# Altium PCB pcb.PcbDoc (part 2 of 2)
Units mil, origin at the board's own origin, x right, y up, seen from the top; angles counter-clockwise.
Board outline 1181.1 x 1968.5 mil, 4 copper layers (Top, Layer 2, Layer 3, Bottom), stack 33.234 mil thick; 97 components, 78 nets, 400 pads, 191 vias.
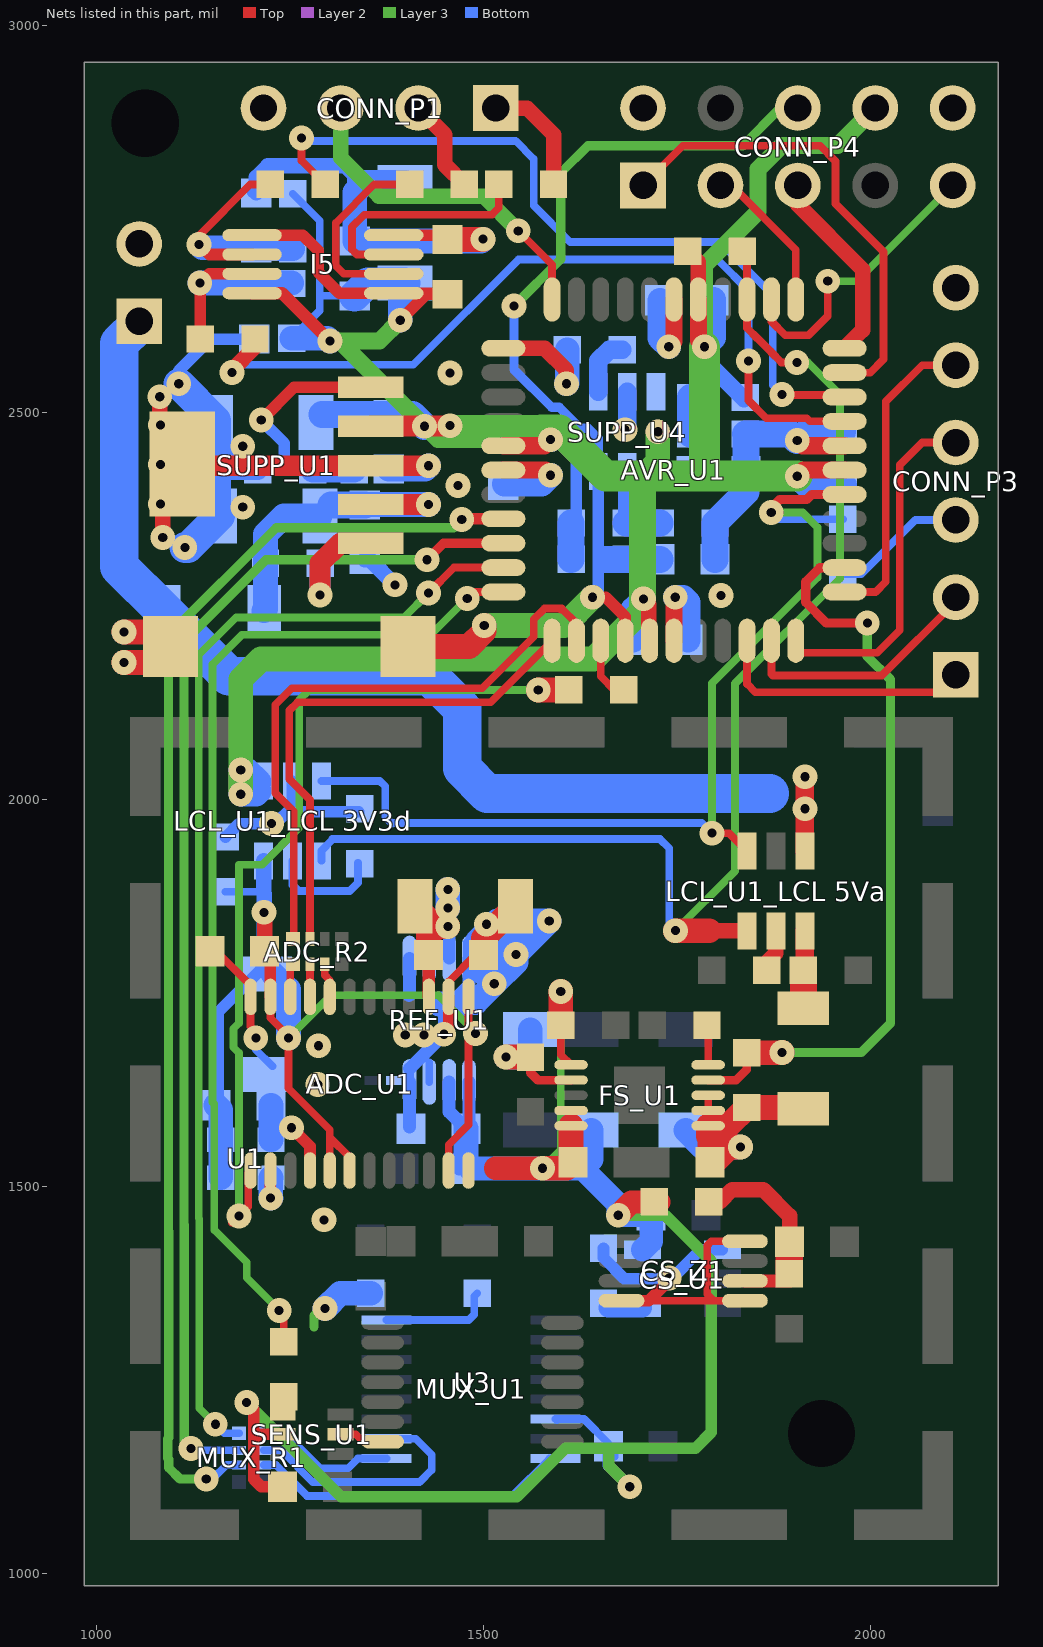
[diagram p4: the nets of this part, all layers, seen from the top]

## Via types
v1: diameter 32, hole 11.81, Top to Bottom, 191 vias

## Nets (pads, with @x,y where several pads share a name; then routed paths per layer and width w, separated by ;. In a path a pad name is that pad's centre, name@x,y a point inside that pad or via, vN(x,y) a via of type N, cw(c..) or ccw(c..) an arc to the next point about the centre after c; other vN are vias at no path point) (continued)
DGND: "LCL_R2_LCL 3V3d.1" "LCL_R4_LCL 3V3d.1" "LCL_U1_LCL 3V3d.2" ADC_C2.2 ADC_C5.2 ADC_C6.2 ADC_J1.2 ADC_U1.4 ADC_U1.24 AVR_C1.2 AVR_C2.2 AVR_C3.2 AVR_C4.2 AVR_C5.2 AVR_C6.2 AVR_R4.2 AVR_R5.2 AVR_U1.6 AVR_U1.18 AVR_U1.28 AVR_U1.39 CONN_P1.4 CONN_P2.2 CONN_P3.3 CONN_P3.6 CONN_P4.2 CONN_P4.10 FS_R3.1 I5.4 I8.2 I9.2 I10.1 I11.1 I12.1 S1.2 SUPP_C1.2 SUPP_C2.2 SUPP_C3.2 SUPP_C4.2 SUPP_R3.2 SUPP_U1.3 SUPP_U1.6 SUPP_U4.2 U1.2 | length 3385.9
  Top w10: ADC_C6.2@1145.55,1803.06 ADC_C6.2@1146.45,1803.95 1154.95,1803.95 1199.13,1759.77 ADC_U1.24@1199.13,1745.16 1199.13,1706.7 1205.88,1699.95 v1(1205.88,1691.95)
  Top w15: v1(1252,1576) 1275.91,1552.09 ADC_U1.4@1275.91,1520.75 ; I5.4@1384.09,2729.43 I11.1@1448.06,2729.43
  Top w20: S1.2@1076.77,2216.54 S1.2@1095.47,2197.83 ; v1(1081.69,2520.67) 1081.69,2462.24 SUPP_U1.6@1110.47,2433.46 1080.56,2403.54 1085.63,2398.47 v1(1085.63,2338.58)
  Top w22: AVR_U1.39@1525.7,2425.8 1580.19,2425.8 v1(1586.82,2419.17) ; v1(1739.54,2585.15) 1746.17,2591.78 AVR_U1.28@1746.17,2646.27 ; AVR_U1.6@1746.17,2205.32 1746.17,2259.81 v1(1747.8,2261.44) ; v1(1905.53,2463.92) 1912.16,2457.29 AVR_U1.18@1966.65,2457.29
  Top w27: SUPP_U1.6@1112.44,2431.49 SUPP_U1.3@1354.57,2431.49 v1(1428.87,2431.49)
  Top w32: v1(1035.43,2177.17) 1074.8,2177.17 S1.2@1095.47,2197.83 ; v1(1035.43,2216.54) S1.2@1076.77,2216.54 ; I11.1@1453.56,2723.93 1499.05,2723.93 v1(1499.36,2724.24)
  Layer 2 w10: v1(1205.88,1691.95) 1205.88,1697.95 v1@1207.88,1699.95
  Bottom w10: v1(1205.88,1691.95) 1205.88,1676.99 ADC_C5.2@1227.38,1655.49 ; FS_R3.1@1964.57,2291.34 1988.19,2291.34 2058.27,2361.42 CONN_P3.3@2110.24,2361.42
  Bottom w15: v1(1106.3,2537.4) 1106.3,2554.13 1147.22,2595.06 I9.2@1203.56,2595.06 ; 1166.67,1951.76 1183.91,1969 v1(1226,1969) 1231.16,1969 1253.28,1991.13 1253.28,1995.06 ; 1253.28,2024 1253.28,1995.06 ; 1338.91,1984.24 1264.11,1984.24 1253.28,1995.06
  Bottom w20: 1153.87,2427.17 1183.4,2456.69 v1(1188.98,2456.69) 1188.98,2430.39 1185.04,2426.46 ; I8.2@1203,2787.48 I8.2@1206.56,2783.93 1206.56,2804 1221.46,2818.9 1321.85,2818.9 1333.56,2807.19 1333.56,2784.49 ; SUPP_C1.2@1346.83,2310.02 1353.36,2310.02 v1(1385.83,2277.56)
  Bottom w24: v1(1683,2478) 1684.24,2478 1685.8,2476.44 SUPP_U4.2@1685.8,2527.02
  Bottom w27: 1153.87,2427.17 1154.58,2426.46 1185.04,2426.46 SUPP_R3.2@1208.4,2426.46
  Bottom w32: ADC_C2.2@1225.43,1605 1225.48,1604.95 U1.2@1225.48,1560.61 ; SUPP_C4.2@1377.83,2427.02 1424.4,2427.02 v1(1428.87,2431.49) ; I12.1@1398.56,2797.45 1346.52,2797.45 1333.56,2784.49 I10.1@1333.56,2721.93 1497.05,2721.93 v1(1499.36,2724.24) ; AVR_C4.2@1526.82,2407.73 1575.39,2407.73 v1(1586.82,2419.17) ; AVR_C5.2@1728.11,2645.15 1728.11,2596.58 v1(1739.54,2585.15) ; v1(1747.8,2261.44) 1757.8,2261.44 1764.24,2255.01 AVR_C3.2@1764.24,2206.44 ; 1916.96,2475.35 AVR_C2.2@1965.53,2475.35
  Bottom w35: AVR_C1.2@1799.24,2310.44 AVR_R4.2@1799.24,2357.44 1839.24,2397.44 AVR_C6.2@1839.24,2424.44 1839.24,2471.79 AVR_R5.2@1838.58,2472.44 1897.01,2472.44 v1(1905.53,2463.92)
  Bottom w40: v1(1106.3,2537.4) 1153.87,2489.83 SUPP_C3.2@1153.87,2487.46 1153.87,2427.17 1153.87,2371.46 SUPP_C2.2@1158.87,2366.46 1118.2,2325.79 v1(1114.17,2325.79)
  other v1: 1294,1457 1286,1632 1287,1682 1807.09,2263.78 1188.98,2377.95 1082.68,2381.89 1467,2406 1082.68,2433.07 1082.68,2484.25 1456.69,2551.18
DIN: ADC_R2.1 ADC_U1.22 | length 45
  Top w10: ADC_U1.22@1250.32,1745.16 1250.32,1780.89 ADC_R2.1@1256.88,1787.45
DOUT: ADC_R2.2 ADC_U1.21 | length 39.3
  Top w10: ADC_U1.21@1275.88,1747.13 ADC_R2.2@1275.88,1786.45
DRDY: ADC_R2.3 ADC_U1.20 | length 45
  Top w10: ADC_R2.3@1294.88,1787.45 1294.88,1773.35 1301.5,1766.74 ADC_U1.20@1301.5,1745.16
I2C_BUS.SCL: CONN_P1.2 I4.1 | length 123.4
  Top w20: CONN_P1.2@1415.75,2893.7 1450,2859.45 1450,2820.43 I4.1@1475.43,2795
I2C_BUS.SDA: CONN_P1.1 I7.1 | length 153.2
  Top w20: CONN_P1.1@1515.75,2893.7 1556.3,2893.7 1590.55,2859.45 I7.1@1590.55,2795.28
IN.NEGATIVE: FLT_R2.1 MUX_U1.8 | length 145.6
  Bottom w10: MUX_U1.8@1374.71,1327.61 1481.16,1327.61 1488.19,1334.65 1488.19,1358.27 FLT_R2.1@1492.13,1362.2
IN.POSITIVE: FLT_R1.1 MOS_J1.1 | length 106.3
  Layer 3 w12: MOS_J1.1@1281,1319 1281,1333.08 1290.44,1342.52 v1(1295.27,1342.52)
  Bottom w10: v1(1295.27,1342.52) v1@1295.27,1349.35
  Bottom w32: v1(1295.27,1342.52) 1314.96,1362.2 FLT_R1.1@1354.33,1362.2
INT: AVR_U1.33 CONN_P1.3 | length 439.6
  Top w10: v1(1545,2735) 1588.69,2691.31 AVR_U1.33@1588.69,2646.27
  Layer 3 w20: CONN_P1.3@1315.75,2893.7 1315.75,2829.25 1365,2780 1500,2780 v1(1545,2735)
MISO: ADC_R2.7 AVR_U1.1 | length 683.4
  Top w10: ADC_R2.7@1275.88,1819.95 1275.88,1999.71 1249,2026.59 1249,2115.14 1259.84,2125.98 1509.35,2125.98 AVR_U1.1@1588.69,2205.32
MOSI: ADC_R2.8 AVR_U1.2 | length 798.3
  Top w10: ADC_R2.8@1253.88,1819.95 1255,1821.07 1255,1984.59 1231,2008.59 1231,2122.6 1252.39,2143.98 1498.32,2143.98 1564.87,2210.54 1564.87,2232.91 1578.82,2246.87 1598.56,2246.87 1599.88,2245.55 1601.2,2246.87 1620.19,2227.87 AVR_U1.2@1620.19,2205.32
MSCK: ADC_R1.1 AVR_U1.3 | length 82.7
  Top w10: AVR_U1.3@1651.69,2205.32 1651.69,2159.34 1669.29,2141.73 ADC_R1.1@1681.1,2141.73
NetADC_C1_1: ADC_C1.1 ADC_U1.15 REF_C1.1 REF_U1.6 REF_U1.7 | length 348.3
  Top w16: ADC_U1.15@1429.45,1745.16 ADC_C1.1@1429.45,1801.5
  Top w32: REF_C1.1@1411.42,1862.2 REF_C1.1@1429.13,1844.49 ; ADC_C1.1@1429.13,1799.21 REF_C1.1@1429.13,1844.49 ; v1(1454,1836) 1441.62,1836 1439.62,1834 REF_C1.1@1429.13,1844.49
  Bottom w16: REF_U1.6@1430.09,1794.68 1430.09,1835.6 v1@1454,1859.51 ; v1(1454,1836) v1@1454,1859.51 ; REF_U1.7@1455.68,1794.68 1455.68,1861.19 v1@1454,1859.51
  Bottom w32: v1@1454,1859.51 v1(1454,1860) v1(1454,1884)
NetADC_C1_2: ADC_C1.2 ADC_C7.2 ADC_J2.2 ADC_U1.14 REF_C1.2 REF_U1.3 REF_U1.4 REF_U1.5 REF_U1.8 | length 983.6
  Top w10: ADC_U1.14@1455.04,1745.16 1455.04,1764.84 1489.42,1799.21 ADC_C1.2@1500,1799.21
  Top w15: v1(1448.82,1696.85) 1455.04,1703.07 ADC_U1.14@1455.04,1745.16
  Top w32: ADC_C1.2@1500,1799.21 1500,1820.87 REF_C1.2@1541.34,1862.2
  Bottom w10: REF_U1.3@1430.09,1635.23 REF_U1.3@1430.09,1660.16
  Bottom w12: REF_U1.4@1404.5,1635.23 REF_U1.4@1404.5,1652.53
  Bottom w15: v1(1448.82,1696.85) 1448.82,1724.41 ; REF_U1.8@1481.27,1794.68 REF_U1.8@1481.27,1814.91
  Bottom w17: 1404,1747 1404.5,1747.5 REF_U1.5@1404.5,1794.68 ; ADC_C7.2@1404.5,1576.91 REF_U1.4@1404.5,1635.23 ; REF_U1.4@1404.5,1652.53 v1(1448.82,1696.85) ; 1452,1736 1458,1736 1481.27,1759.27 REF_U1.8@1481.27,1794.68
  Bottom w32: 1443,1736 1452,1736 ; 1458,1736 1471.36,1736 1473.31,1737.95 1489.95,1737.95 v1(1514,1762) ; 1492,1784 1492,1817 1518,1843 1554,1843 ; 1492,1784 1495,1784 1554,1843 ; 1492,1784 v1(1514,1762) ; v1(1514,1762) 1542,1790 v1(1542,1800) v1(1585,1843) 1554,1843
  other v1: 1399,1696 1423,1696 1504,1839
NetADC_U1_2: ADC_U1.2 U1.3 | length 70.5
  Top w10: ADC_U1.2@1224.72,1520.75 ADC_U1.2@1225.85,1519.63
  Top w15: ADC_U1.2@1224.72,1520.75 1224.72,1485.28 v1(1225,1485)
  Bottom w20: v1(1225,1485) v1@1231.45,1485
  Bottom w32: v1(1225,1485) 1225,1510.91 U1.3@1225.48,1511.39
NetAVR_R1_2: AVR_R1.2 AVR_R4.1 SUPP_U4.5 | length 119
  Bottom w24: AVR_R1.2@1684.24,2364.01 AVR_R1.2@1684.24,2357.44 AVR_R1.2@1688.8,2362.01 ; AVR_R1.2@1685.8,2362.01 SUPP_U4.5@1685.8,2423.87
  Bottom w35: AVR_R1.2@1684.24,2357.44 AVR_R4.1@1728.37,2357.44
NetAVR_R2_2: AVR_R2.2 AVR_R5.1 SUPP_U4.3 | length 47.2
  Bottom w35: AVR_R5.1@1767.72,2472.44 AVR_R2.2@1767.72,2519.68
NetAVR_R3_1: AVR_R3.1 SUPP_U4.1 | length 76.8
  Bottom w24: SUPP_U4.1@1648.4,2527.02 1648.4,2567.04 1662.8,2581.44 AVR_R3.1@1679.24,2581.44
NetCS_C3_2: CS_C3.2 CS_R1.1 CS_R2.2 CS_Z1.6 | length 257.3
  Top w17: CS_Z1.6@1837.88,1378.09 CS_R1.1@1895.16,1378.09
  Top w20: CS_R2.2@1791.34,1480.32 1805.48,1480.32 1821.3,1496.13 1861.6,1496.13 1895.72,1462.01 CS_C3.2@1895.72,1428.89
  Top w35: CS_R1.1@1895.16,1387.32 1895.16,1428.32 CS_C3.2@1895.72,1428.89
NetCS_R3_1: CS_R3.1 CS_U1.1 CS_Z1.4 CS_Z1.5 CS_Z1.8 | length 518.3
  Top w10: 1713.77,1352.5 1797.54,1352.5 ; CS_Z1.5@1837.88,1352.5 1797.54,1352.5 ; CS_Z1.8@1837.88,1429.28 1794.54,1429.28 1789.16,1423.89 1789.16,1360.89 1797.54,1352.5
  Top w15: CS_Z1.4@1678.43,1352.5 1713.77,1352.5 1740.16,1378.89 v1(1740.16,1381.89)
  Bottom w15: CS_R3.1@1655.16,1420.32 1655.16,1407.89 1682.16,1380.89 1743.16,1380.89 1780.56,1418.29 CS_U1.1@1808.73,1418.29
NetCS_R3_2: CS_R3.2 CS_U1.4 | length 44.5
  Bottom w25: CS_R3.2@1661.13,1343.49 CS_U1.4@1705.58,1343.49
NetFS_C2_1: FS_C2.1 FS_C3.1 FS_FB1.1 FS_R2.1 FS_U1.1 FS_U1.2 FS_U1.3 | length 376.9
  Top w10: FS_U1.2@1790.36,1598.22 FS_U1.3@1790.36,1617.91
  Top w32: 1790.36,1565.45 FS_U1.1@1790.36,1578.54 ; v1(1832.19,1551.18) v1@1817.72,1551.18 ; FS_FB1.1@1913.39,1600.39 1911.62,1602.16 FS_R2.1@1840.06,1602.16 1816.44,1578.54 FS_U1.1@1790.36,1578.54 ; FS_U1.1@1790.36,1578.54 FS_U1.1@1792.82,1576.08 ; FS_U1.1@1792.82,1576.08 v1@1817.72,1551.18 ; FS_U1.1@1792.82,1576.08 FS_C3.1@1792.82,1531.5 1798.03,1531.5 v1@1817.72,1551.18
  Bottom w32: FS_C2.1@1761.32,1572.83 1782.98,1551.18 v1(1832.19,1551.18)
NetFS_C6_1: FS_C6.1 FS_R4.2 FS_U1.7 | length 171.9
  Top w11: 1570.09,1637.59 FS_U1.7@1613.2,1637.59
  Top w12: FS_R4.2@1560.78,1667.34 1560.78,1646.91 1570.09,1637.59
  Top w32: v1(1529.04,1667.34) FS_R4.2@1560.78,1667.34
  Bottom w32: v1(1529.04,1667.34) 1554.65,1667.34 1560.54,1673.23 FS_C6.1@1560.54,1702.76
NetFS_R5_2: FS_R5.2 FS_U1.5 | length 55.9
  Top w10: FS_R5.2@1788.88,1712.6 1790.36,1711.12 FS_U1.5@1790.36,1657.28
NetI1_1: I1.1 I5.6 I6.2 I8.1 | length 320.3
  Top w10: v1(1132.56,2717.49) 1132.56,2729.01 1198.54,2795 I6.2@1224.57,2795
  Top w15: v1(1132.56,2717.49) 1145.62,2704.43 I5.6@1201.02,2704.43
  Bottom w32: v1@1136.99,2713.06 I8.1@1206.56,2713.06 ; I8.1@1207.56,2712.06 I1.1@1253.56,2712.06
NetI2_1: I2.1 I3.2 I5.7 I9.1 | length 269.3
  Top w10: v1@1133.56,2661.49 v1(1133.56,2667.49)
  Top w15: I3.2@1133.93,2595.24 1133.93,2667.12 v1(1133.56,2667.49) 1145.49,2679.43 I5.7@1201.02,2679.43
  Bottom w32: v1(1133.56,2667.49) I2.1@1251.99,2667.49
NetI4_2: I4.2 I5.2 | length 250.5
  Top w10: I5.2@1384.09,2679.43 1319.62,2679.43 1309.13,2689.91 1309.13,2745 1359.13,2795 I4.2@1404.57,2795
NetI5_3: I5.3 I7.2 | length 316.2
  Top w10: I5.3@1384.09,2704.43 1336.62,2704.43 1330.06,2710.99 1330.06,2739.93 1346.03,2755.91 1510.91,2755.91 1519.68,2764.68 I7.2@1519.68,2795.28
"NetLCL_R2_LCL 3V3d_2": "LCL_R2_LCL 3V3d.2" "LCL_U1_LCL 3V3d.5" | length 149.1
  Bottom w10: 1253.28,1920.85 1253.28,1889.75 1261.16,1881.87 1327.1,1881.87 1337.93,1892.7 1337.93,1918.29
"NetLCL_R2_LCL 5Va_2": "LCL_R2_LCL 5Va.2" "LCL_U1_LCL 5Va.5" | length 56.1
  Top w20: 1866.14,1779.53 1866.14,1789.76 1877.95,1801.57 1877.95,1830.71
NetMUX_R1_5: MUX_R1.5 MUX_U1.1 | length 181.9
  Bottom w10: MUX_R1.5@1216.54,1181.11 1244.09,1181.11 1289.09,1136.11 1325.09,1136.11 1337.46,1148.48 MUX_U1.1@1374.71,1148.48
NetMUX_R1_6: MUX_R1.6 MUX_U1.2 | length 326.6
  Bottom w10: MUX_R1.6@1216.54,1159.11 1238.53,1159.11 1279.53,1118.11 1417.32,1118.11 1433.07,1133.86 1433.07,1153.54 1412.54,1174.07 MUX_U1.2@1374.71,1174.07
NetMUX_R1_7: MUX_R1.7 MUX_U1.16 | length 413.3
  Bottom w10: MUX_R1.7@1216.54,1140.11 1232.07,1140.11 1272.07,1100.11 1537.12,1100.11 1585.49,1148.48 MUX_U1.16@1593.22,1148.48
NetSENS_1_2: SENS_1.2 SENS_U1.1
NetSENS_U1_5: SENS_U1.5 U3.7 | length 58.5
  Top w10: SENS_U1.5@1315.4,1180 1335,1180 1344.72,1170.28 U3.7@1369.83,1170.28
NetSUPP_C1_1: SUPP_C1.1 SUPP_C2.1 SUPP_FB2.2 SUPP_R1.1 SUPP_U1.2 | length 380
  Top w27: SUPP_U1.2@1354.57,2381.29 1428.67,2381.29 v1(1428.83,2381.46)
  Bottom w32: SUPP_FB2.2@1216.54,2244.09 1218.4,2245.96 SUPP_R1.1@1218.4,2305.46 1218.4,2343.02 1241.83,2366.46 SUPP_C2.1@1288.8,2366.46 ; SUPP_C1.1@1346.83,2380.89 1347.4,2381.46 v1(1428.83,2381.46)
  Bottom w35: SUPP_C2.1@1303.23,2380.89 SUPP_C1.1@1346.83,2380.89
NetSUPP_R1_2: SUPP_R1.2 SUPP_U1.1 | length 158.5
  Top w27: v1(1288.83,2264.46) 1288.83,2305.46 1314.47,2331.09 SUPP_U1.1@1354.57,2331.09
  Bottom w27: v1(1288.83,2264.46) 1288.83,2305.02 SUPP_R1.2@1289.27,2305.46
NetSUPP_R2_2: SUPP_R2.2 SUPP_R3.1 SUPP_U1.5 | length 322.9
  Top w15: v1(1212.83,2490.46) 1255.24,2532.87 SUPP_U1.5@1354.57,2532.87
  Bottom w15: v1(1212.83,2490.46) 1242.83,2460.46 1242.83,2430.46 1246.83,2426.46 SUPP_R3.1@1279.27,2426.46
  Bottom w32: SUPP_R3.1@1279.7,2426.02 SUPP_R2.2@1332.83,2426.02
"OUT_LCL 5Va": "LCL_R4_LCL 5Va.2" "LCL_U1_LCL 5Va.6" FS_FB1.2 | length 100.8
  Top w24: 1913.39,1779.53 1915.35,1781.5 1915.35,1830.32
  Top w35: FS_FB1.2@1913.39,1730.31 1913.39,1779.53
R\S\T\: AVR_C1.1 AVR_U1.4 CONN_P4.6 R1.2 S1.1 SUPP_U4.6 | length 1396.9
  Top w15: v1(1640.8,2261.44) 1657.85,2261.44 1683.18,2236.11 AVR_U1.4@1683.18,2205.32
  Top w32: S1.1@1402.56,2197.83 1481.3,2197.83 1501,2217.54 v1(1501,2225)
  Layer 3 w12: v1(1539.37,2637.8) 1600,2698.43 1600,2810 1635,2845 1835,2845 1883.7,2893.7 CONN_P4.6@1906.3,2893.7
  Layer 3 w32: v1(1501,2225) 1604.36,2225 v1(1640.8,2261.44)
  Bottom w12: v1(1539.37,2637.8) 1539.37,2555.63 1588.13,2506.87 1598.13,2506.87 1625,2480 1635,2480 1648.4,2466.6 SUPP_U4.6@1648.4,2423.87
  Bottom w15: v1(1640.8,2261.44) 1648.4,2269.04 SUPP_U4.6@1648.4,2423.87
  Bottom w35: 1658.8,2310.44 R1.2@1684.24,2310.44 AVR_C1.1@1728.37,2310.44
RAD_3V3D: "LCL_R4_LCL 3V3d.2" "LCL_U1_LCL 3V3d.6" ADC_C2.1 ADC_C5.1 ADC_C6.1 ADC_U1.5 ADC_U1.6 ADC_U1.11 ADC_U1.13 ADC_U1.23 U1.1 U1.4 | length 1518
  Top w10: ADC_U1.23@1224.72,1745.16 1224.72,1718.11 1247.97,1694.87 1247.97,1627.03 1301.5,1573.5 1301.5,1563.34 ; ADC_U1.5@1301.5,1520.75 1301.5,1563.34 ; ADC_U1.6@1327.09,1520.75 1327.09,1537.75 1301.5,1563.34 ; ADC_U1.11@1455.04,1520.75 1455.04,1554.11 1480.63,1579.7 v1@1480.63,1697.95 ; ADC_U1.13@1480.63,1745.16 v1@1480.63,1697.95 ; v1(1489.88,1697.95) v1@1480.63,1697.95
  Top w15: ADC_U1.23@1224.72,1745.16 ADC_C6.1@1224.72,1796.54
  Top w20: v1(1216.54,1854.33) 1217.32,1853.55 ADC_C6.1@1217.32,1803.95
  Layer 3 w10: v1@1255.52,1699.49 1303.08,1747.05 1441.81,1747.05 1489.88,1698.98 v1(1489.88,1697.95)
  Bottom w10: 1166.67,1880.89 1213.91,1880.89 1215.88,1878.92
  Bottom w15: ADC_C2.1@1157.48,1611.34 1157.48,1725.65 ADC_C5.1@1217.32,1785.48
  Bottom w20: 1215.88,1920.85 1215.88,1878.92 1216.54,1878.27 v1(1216.54,1854.33) 1216.54,1786.26 1217.32,1785.48 ADC_C5.1@1227.88,1774.91
  Bottom w32: ADC_C2.1@1154.57,1605 1160.52,1599.05 U1.1@1160.52,1560.61 U1.4@1160.52,1511.39 ; ADC_C5.1@1227.88,1774.91 1247.97,1754.83 v1(1247.97,1691.94)
RAD_4V5A: ADC_C4.1 ADC_C7.1 ADC_U1.12 CS_C2.1 CS_R2.1 CS_U1.5 FS_C4.1 FS_C5.1 FS_R6.2 FS_U1.6 FS_U1.9 FS_U1.10 MUX_C1.1 MUX_U1.14 REF_U1.1 REF_U1.2 SENS_C1.1 SENS_U1.2 | length 2582.8
  Top w10: FS_R6.2@1599.91,1708.66 1599.91,1670.57 FS_U1.6@1613.2,1657.28
  Top w11: FS_U1.10@1613.2,1578.54 FS_U1.9@1613.2,1598.22
  Top w15: v1(1194,1221) 1203,1212 1203,1170 ; SENS_C1.1@1240.57,1112 1213,1112 1203,1122 1203,1170 ; SENS_U1.2@1240.6,1180 1213,1180 1203,1170
  Top w30: 1515.75,1523.62 v1(1576.28,1523.62) ; v1(1674.16,1462.89) 1691.16,1479.89 CS_R2.1@1726.72,1479.89
  Top w32: v1(1576.28,1523.62) 1607.78,1523.62 FS_C5.1@1615.65,1531.5 1613.2,1533.95 FS_U1.10@1613.2,1578.54 ; FS_R6.2@1599.91,1708.66 v1(1599.9,1751.96)
  Layer 3 w10: v1(1576.28,1523.62) 1599.9,1547.24 v1(1599.9,1751.96)
  Layer 3 w15: v1(1194,1221) 1316,1099 1543,1099 1606,1162 1662,1162 ; v1(1674.16,1462.89) 1735.11,1462.89 1794.5,1403.5 1794.5,1182.5 1774,1162 1662,1162 ; v1(1689,1112) 1662,1139 1662,1162
  Bottom w10: MUX_U1.14@1594.83,1198.05 MUX_U1.14@1593.22,1199.66 1629.9,1199.66 1661.41,1168.15 MUX_C1.1@1661.41,1164.32 ; MUX_C1.1@1669.62,1151.03 MUX_C1.1@1669.62,1163.98
  Bottom w15: MUX_C1.1@1661.41,1164.32 1661.41,1139.59 v1(1689,1112)
  Bottom w17: REF_U1.2@1455.68,1635.23 1455.68,1596.59 ADC_C7.1@1477.32,1574.95 ; ADC_C4.1@1468.32,1522.95 ADC_C4.1@1477.32,1531.95 ; ADC_C7.1@1481.27,1578.91 REF_U1.1@1481.27,1635.23
  Bottom w30: 1627.46,1523.62 1674.16,1476.93 v1(1674.16,1462.89) CS_C2.1@1716.72,1462.89 1716.72,1429.43 CS_U1.5@1705.58,1418.29
  Bottom w32: ADC_C4.1@1477.32,1531.95 ADC_C7.1@1477.32,1574.95 ; ADC_C4.1@1483.75,1522.95 v1(1576.28,1523.62) 1627.46,1523.62 1639.28,1535.43 FS_C4.1@1639.28,1572.83
RADFET_EN: "LCL_U1_LCL 3V3d.3" "LCL_U1_LCL 5Va.3" AVR_U1.16 FS_R3.2 | length 1357.1
  Top w10: v1(1795.28,1956.69) 1817.32,1956.69 1840.55,1933.46
  Top w12: v1(1872,2371) 1881.95,2371 1873.98,2378.98 1882.92,2387.92 1917.95,2387.92 1924.33,2394.3 AVR_U1.16@1966.65,2394.3
  Layer 3 w10: v1(1795.28,1956.69) 1795.28,2150.28 1931.56,2286.56 1931.56,2351.91 1912.46,2371 v1(1872,2371)
  Layer 3 w12: v1(1872,2371) v1@1878.95,2377.95
  Bottom w10: 1290.69,2024 1366.08,2024 1373,2017.08 1373,1977.71 1381.83,1968.87 ; 1381,1969.87 1782.09,1969.87 v1(1795.28,1956.69) ; v1(1872,2371) 1880.8,2362.2 FS_R3.2@1964.57,2362.2
RADFET_FAULT: "LCL_U1_LCL 3V3d.4" "LCL_U1_LCL 5Va.4" AVR_U1.25 FS_R1.1 | length 1714.2
  Top w10: FS_R1.1@1834.65,2708.66 1840.66,2702.65 AVR_U1.25@1840.66,2646.27 1840.66,2609.34 1854.07,2595.93 1854.53,2595.93 1871.52,2578.94 1871.52,2578.48 1885,2565 v1(1905,2565)
  Top w20: 1791.34,1830.71 1840.16,1830.71 1840.55,1830.32
  Top w32: v1(1748.03,1830.71) 1791.34,1830.71
  Layer 3 w10: v1(1748.03,1830.71) 1825,1907.68 1825,2150 1960.63,2285.63 1960.63,2523.62 1919.25,2565 v1(1905,2565)
  Bottom w10: 1290.69,1920.85 1290.69,1934.04 1304.67,1948.02 ; 1304.67,1949.02 1728.14,1949.02 1740.16,1937.01 1740.16,1838.58 v1(1748.03,1830.71)
RADFET_MUX_A0: AVR_U1.43 MUX_R1.4 | length 1478.8
  Top w10: v1(1429,2267) 1461.81,2299.81 AVR_U1.43@1525.7,2299.81
  Layer 3 w10: v1(1153.54,1192.91) 1132.87,1213.58 1132.87,1458.11 1132,1458.99 1132,2187 1180.46,2235.46 1397.46,2235.46 v1(1429,2267)
  Bottom w10: v1(1153.54,1192.91) 1165.34,1181.11 MUX_R1.4@1184.04,1181.11
RADFET_MUX_A1: AVR_U1.41 MUX_R1.2 | length 1676.2
  Top w15: v1(1472,2362) 1472.8,2362.8 AVR_U1.41@1525.7,2362.8
  Layer 3 w12: v1(1141.73,1122.05) 1107.95,1122.05 1093.43,1136.57 1093.43,1147.6 1092.05,1148.99 1092.05,1173.84 1093.43,1175.23 1093.43,1442.4 1093,1442.83 1093,2212.28 1232.17,2351.46 1461.46,2351.46 v1(1472,2362)
  Bottom w10: v1(1141.73,1122.05) 1149.61,1122.05 1167.67,1140.11 MUX_R1.2@1184.04,1140.11
RADFET_MUX_EN: AVR_U1.42 MUX_R1.3 | length 1574.7
  Top w12: v1(1427,2310) 1448.31,2331.31 AVR_U1.42@1525.7,2331.31
  Layer 3 w12: v1(1122.05,1161.41) 1113.43,1170.03 1113.43,1450.68 1113,1451.12 1113,2204 1219,2310 v1(1427,2310)
  Bottom w10: v1(1122.05,1161.41) 1124.35,1159.11 MUX_R1.3@1184.04,1159.11
RADFET_PGOOD: AVR_U1.13 FS_R2.2 FS_U1.4 | length 983.9
  Top w11: FS_U1.4@1790.36,1637.59 1826.77,1637.59 1840.06,1650.88 FS_R2.2@1840.06,1673.02
  Top w12: AVR_U1.13@1966.65,2299.81 1934.65,2299.81 1916.34,2281.5 1916.34,2254.92 1942.91,2228.35 v1(1996.06,2228.35)
  Top w32: FS_R2.2@1840.06,1673.02 1885.62,1673.02 v1(1885.83,1673.23)
  Layer 3 w12: v1(1885.83,1673.23) 1988.19,1673.23 2026,1711.04 2026,2155.1 1996.06,2185.04 v1(1996.06,2228.35)
RADFET_TEMP: AVR_U1.44 SENS_1.1 | length 1322.7
  Top w10: v1(1236,1340) 1242,1334 SENS_1.1@1242,1299.43 ; v1@1480.92,2268.32 AVR_U1.44@1525.7,2268.32
  Layer 3 w10: v1(1236,1340) 1194,1382 1194,1402 1152,1444 1152,1607 1150,1609 1150,2175 1188,2213 1432,2213 v1(1479,2260)
RX0: AVR_U1.9 CONN_P3.1 | length 333.6
  Top w10: AVR_U1.9@1840.66,2205.32 1840.66,2149.5 1851.38,2138.78 2087.6,2138.78 CONN_P3.1@2106.3,2157.48
RX1: AVR_U1.11 CONN_P3.4 | length 458.3
  Top w10: AVR_U1.11@1903.65,2205.32 1903.65,2191.82 1905.51,2189.96 2008.86,2189.96 2038,2219.1 2038,2432.49 2066.93,2461.42 CONN_P3.4@2110.24,2461.42
SAT_BUS.SUPPLY.SENS_5V: CONN_P2.1 SUPP_FB2.1 SUPP_J1.1 | length 1328.8
  Bottom w50: CONN_P2.1@1053,2613 1029.53,2589.53 1029.53,2301.18 SUPP_FB2.1@1086.61,2244.09 1171.26,2159.45 1430.55,2159.45 1472.44,2117.56 1472.44,2040.35 1504.92,2007.87 1870.08,2007.87
SCK: ADC_R1.2 ADC_U1.1 | length 1149.9
  Top w10: v1@1175.17,1453.17 1196,1474 1196,1517.61 ADC_U1.1@1199.13,1520.75
  Top w32: v1(1570.87,2141.73) ADC_R1.2@1606.3,2141.73
  Layer 3 w10: v1(1184,1462) 1184,1672.82 1176.88,1679.94 1176.88,1703.97 1184,1711.08 1184,1916 1214.01,1916 1262,1963.99 1262,2129 1274.73,2141.73 v1(1570.87,2141.73)
SCL: AVR_U1.19 I3.1 | length 1077.5
  Top w10: v1(1842.52,2566.93) 1842.52,2515.75 1865.35,2492.92 1917.54,2492.92 1921.67,2488.79 AVR_U1.19@1966.65,2488.79
  Top w20: v1(1175,2552) 1175,2554.87 1204.8,2584.67 I3.1@1204.8,2595.24
  Bottom w10: v1(1175,2552) 1175.13,2552 1185.13,2562.01 1409.45,2562.01 1545.28,2697.83 1802.61,2697.83 1842.52,2657.93 v1(1842.52,2566.93)
SDA: AVR_U1.20 I6.1 | length 1025.5
  Top w10: v1(1265,2855) 1265,2825.43 I6.1@1295.43,2795 ; v1(1885.82,2523.62) 1885.82,2527.43 1890.33,2522.92 1964.01,2522.92 AVR_U1.20@1966.65,2520.28
  Bottom w10: v1@1261.17,2851.17 v1(1265,2855) ; v1@1265,2851.17 1541.54,2851.17 1564.96,2827.76 1564.96,2767.72 1612.2,2720.47 1805.43,2720.47 1874.02,2651.89 1874.02,2535.42 v1(1885.82,2523.62)
SENS_3V3D: "LCL_U1_LCL 3V3d.1" AVR_C2.1 AVR_C3.1 AVR_C4.1 AVR_C5.1 AVR_C6.1 AVR_R1.1 AVR_R2.1 AVR_U1.5 AVR_U1.17 AVR_U1.27 AVR_U1.38 CONN_P4.8 FS_R1.2 I1.2 I2.2 I5.1 I5.5 I5.8 I10.2 I11.2 I12.2 R1.1 SUPP_C3.1 SUPP_C4.1 SUPP_R2.1 SUPP_U1.4 SUPP_U4.4 | length 4680.3
  Top w15: I5.5@1201.02,2729.43 1266.62,2729.43 1286.42,2709.63 1286.42,2681.63 1313.62,2654.43 I5.1@1384.09,2654.43 I11.2@1454.19,2654.43 ; v1(1392.56,2619.49) 1426.12,2653.06 I11.2@1453.56,2653.06
  Top w16: I5.8@1201.02,2654.43 1239.62,2654.43 v1(1301.56,2592.49)
  Top w20: v1(1706.8,2259.44) 1713.8,2252.44 1713.8,2206.2 AVR_U1.5@1714.68,2205.32 ; FS_R1.2@1763.78,2708.66 1777.67,2694.77 AVR_U1.27@1777.67,2646.27
  Top w22: AVR_U1.38@1525.7,2457.29 1578.94,2457.29 v1(1586.82,2465.17) ; AVR_U1.27@1777.67,2646.27 1777.67,2593.02 v1(1785.54,2585.15) ; v1(1905.53,2417.92) 1913.4,2425.8 AVR_U1.17@1966.65,2425.8
  Top w27: SUPP_U1.4@1354.57,2482.67 v1@1423.62,2482.67 ; v1(1423.83,2482.46) v1@1423.62,2482.67 ; v1(1456.69,2483.27) 1456.09,2482.67 v1@1423.62,2482.67
  Layer 3 w22: v1(1392.56,2619.49) 1365.56,2592.49 1313.8,2592.49 v1(1423.83,2482.46) ; v1(1456.69,2483.27) 1455.88,2482.46 v1(1423.83,2482.46) ; v1(1586.82,2465.17) 1441.13,2465.17 v1(1423.83,2482.46) ; 1706.8,2417.92 1706.8,2421.37 ; v1(1785.54,2585.15) 1785.54,2690.54 1855,2760 1855,2815 1885,2845 1957.6,2845 CONN_P4.8@2006.3,2893.7
  Layer 3 w27: v1(1456.69,2483.27) 1568.72,2483.27 ; 1574.62,2477.36 v1(1586.82,2465.17)
  Layer 3 w32: v1(1186.35,2006.87) 1186.35,2155.49 1212.59,2181.73 1642.36,2181.73 v1@1705.8,2245.17 ; 1706.8,2417.92 1725.39,2436.51 v1(1725.39,2475.39)
  Layer 3 w35: v1@1705.8,2245.17 1705.8,2416.92
  Layer 3 w40: 1574.62,2477.36 1598.43,2477.36 1657.87,2417.92 1706.8,2417.92 ; 1705.8,2416.92 1706.8,2417.92 ; v1(1785.54,2585.15) 1785.54,2420 1783.46,2417.92 ; v1(1905.53,2417.92) 1783.46,2417.92 ; 1706.8,2417.92 1783.46,2417.92
  Bottom w10: I2.2@1248.99,2592.49 I2.2@1252.56,2596.06 1288.56,2632.06 1288.56,2651.49 ; I1.2@1253.56,2782.93 1288.56,2747.93 1288.56,2651.49 ; I10.2@1333.56,2651.06 1288.99,2651.06 1288.56,2651.49
  Bottom w15: v1(1586.82,2465.17) 1593.89,2465.17 1620,2439.06 1620,2364.07 AVR_R1.1@1613.37,2357.44
  Bottom w20: v1(1186.35,2006.87) 1203.48,2024 1208.6,2024 1215.88,2024 ; SUPP_U4.4@1723.2,2423.87 1723.2,2473.2 v1(1725.39,2475.39)
  Bottom w22: v1(1785.54,2585.15) 1785.54,2568.79 AVR_R2.1@1836.61,2517.72
  Bottom w32: 1209.98,2010.81 1206.04,2006.88 v1(1186.35,2006.87) v1(1186.35,2038.37) 1194.23,2038.37 1208.6,2024 1209.98,2022.62 ; I2.2@1252.56,2596.06 1297.99,2596.06 v1(1301.56,2592.49) ; v1(1392.56,2619.49) I12.2@1392.56,2661.53 ; AVR_C4.1@1525.8,2476.87 1575.11,2476.87 v1(1586.82,2465.17) ; AVR_C3.1@1693.37,2206.44 1693.37,2246.01 v1(1706.8,2259.44) ; v1(1785.54,2585.15) 1797.25,2596.86 AVR_C5.1@1797.25,2646.17 ; v1(1905.53,2417.92) 1917.24,2406.21 AVR_C2.1@1966.54,2406.21
  Bottom w35: SUPP_C3.1@1291.23,2497.89 SUPP_C4.1@1377.83,2497.89 1408.4,2497.89 v1(1423.83,2482.46) ; R1.1@1613.37,2310.44 AVR_R1.1@1613.37,2357.44
  Bottom w40: I10.2@1333.56,2651.06 1350.03,2667.53 I12.2@1398.56,2667.53
SENS_5VA: "LCL_U1_LCL 5Va.1" SUPP_J1.2 | length 96.1
  Top w24: 1915.35,1933.46 v1(1915.35,1988.19) v1(1915.35,2029.53)
TCK: AVR_U1.21 CONN_P4.1 | length 617.4
  Top w10: CONN_P4.1@1706.3,2793.7 1757.6,2845 1935,2845 1955,2825 1955,2769.91 2017,2707.91 2017,2569 1999.78,2551.78 AVR_U1.21@1966.65,2551.78
TDI: AVR_U1.24 CONN_P4.9 | length 376.6
  Top w10: AVR_U1.24@1872.16,2646.27 1872.16,2617.84 1890,2600 1920,2600 1945,2625 v1(1945,2670)
  Layer 3 w10: v1(1945,2670) 1982.6,2670 CONN_P4.9@2106.3,2793.7
TDO: AVR_U1.23 CONN_P4.3 | length 196.1
  Top w10: CONN_P4.3@1806.3,2793.7 1820.47,2793.7 1903.65,2710.52 AVR_U1.23@1903.65,2646.27
TMS: AVR_U1.22 CONN_P4.5 | length 254.8
  Top w20: CONN_P4.5@1906.3,2793.7 1906.3,2768.7 1990,2685 1990,2606.63 AVR_U1.22@1966.65,2583.28
TX0: AVR_U1.10 CONN_P3.2 | length 326.9
  Top w10: AVR_U1.10@1872.16,2205.32 1872.16,2162.29 1874.02,2160.43 2014.76,2160.43 2110.24,2255.91 CONN_P3.2@2110.24,2261.42
TX1: AVR_U1.12 CONN_P3.5 | length 401.4
  Top w10: AVR_U1.12@1966.65,2268.32 2006.74,2268.32 2020,2281.57 2020,2514.49 2066.93,2561.42 CONN_P3.5@2110.24,2561.42
WATCHDOG: AVR_R3.2 AVR_U1.34 | length 155.5
  Top w20: AVR_U1.34@1525.7,2583.28 1579.13,2583.28 1607.28,2555.12 v1(1607.28,2537.4)
  Bottom w32: v1(1607.28,2537.4) 1608.37,2538.49 AVR_R3.2@1608.37,2581.44
pads on no net: ADC_U1.3 AVR_U1.7 AVR_U1.8 AVR_U1.26 AVR_U1.29 AVR_U1.30 AVR_U1.31 AVR_U1.32 AVR_U1.35 AVR_U1.36 AVR_U1.37 AVR_U1.40 CONN_P4.4 CONN_P4.7 CS_Z1.1 CS_Z1.2 CS_Z1.3 CS_Z1.7 MUX_R1.8 U3.4 U3.5 U3.9

## Polygon pours and split planes (outlines as drawn)
AGND on Layer 2 "AGND" (solid, remove dead copper, pour order 4): 2165.35,2106.3 1334.65,2106.3 1334.65,1417.32 1083.66,1417.32 1083.66,2125.98 984.25,2125.98 984.25,1417.32 984.25,984.25 2165.35,984.25
DGND on Layer 2 "DGND" (solid, remove dead copper, pour order 6): 1310,2125.98 1310,1438 1102.36,1438 1102.36,2150 984.25,2150 984.25,2952.76 2165.35,2952.76 2165.35,2125.98
AGND on Layer 3 "AGND" (solid, remove dead copper, pour order 12): 2165.35,2106 1334.65,2106 1334.65,1417.32 1102.36,1417.32 1102.36,2125.98 984.25,2125.98 984.25,1417.32 984.25,984.25 2165.35,984.25
DGND on Layer 3 "DGND" (solid, remove dead copper, pour order 10): 1310,2125.98 1310,1438 1102.36,1438 1102.36,2150 984.25,2150 984.25,2952.76 2165.35,2952.76 2165.35,2125.98

## Other copper
Top:
  rectangle net NetADC_C1_1: 1413,1818 1470,1897
  rectangle net AGND: 1669.8,1645.61 1734.27,1692.5
  region net AGND: 1733.76,1590.2 1669.29,1590.2 1669.29,1543.31 1733.76,1543.31
  region net RAD_4V5A: 1629.61,1595.91 1599.91,1595.91 1599.91,1570.87 1629.61,1570.87
  rectangle net AIN5: 1604.66,1938.75 1749,2032
  rectangle net AIN6: 1470.8,1940 1594,2033
  region net NetFS_C2_1: 1806.78,1595.91 1772.78,1595.91 1772.78,1582.91 1806.78,1582.91
  rectangle net RAD_4V5A: 1479.88,1506.95 1520.88,1538.95
  text "DCIG" at 1649,2758 h20 r180
  text "0RTG1RTG" at 2056,2581 h20 r90
  text "GND Vcc" at 1013,2542 h20 r270
  text "65" at 1776,2011 h20
  text "G. Gajoch" at 1147,1721 h20 r270
  text "PW-Sat2" at 1108,1702 h20 r270
Layer 3:
  rectangle net "CURRENT +": 1658,1232 1706,1256
Bottom:
  rectangle net NetADC_C1_1: 1438,1774 1454,1836
  rectangle net NetADC_C1_2: 1383,1634 1438,1708
  rectangle net NetADC_C1_2: 1385,1695 1464,1753
  rectangle net SENS_5VA: 1847.44,1984.25 1929.13,2033.46
  rectangle net NetADC_C1_2: 1388,1589.95 1430.09,1660.16
  region net SENS_3V3D: 1750.8,2405.44 1750.8,2443.44 1731.8,2443.44 1731.8,2405.44
  region net NetAVR_R2_2: 1783.46,2503.44 1783.46,2535.43 1728.8,2535.43 1728.8,2503.44

## Silkscreen, mask and mechanical layers (free items; w line width, h text height)
Mechanical 6:
  the board outline again, w10

## Text inside footprints (layer, text, board x,y; h text height)
CONN_P4: Top Overlay "10" at 2166.3,2873.7 h50; Top Overlay "9" at 2166.3,2773.7 h50; Top Overlay "1" at 1626.3,2773.7 h50; Top Overlay "2" at 1606.3,2873.7 h50